# Altium PCB BMS-P00-V01.PcbDoc (part 1 of 2) (continued)
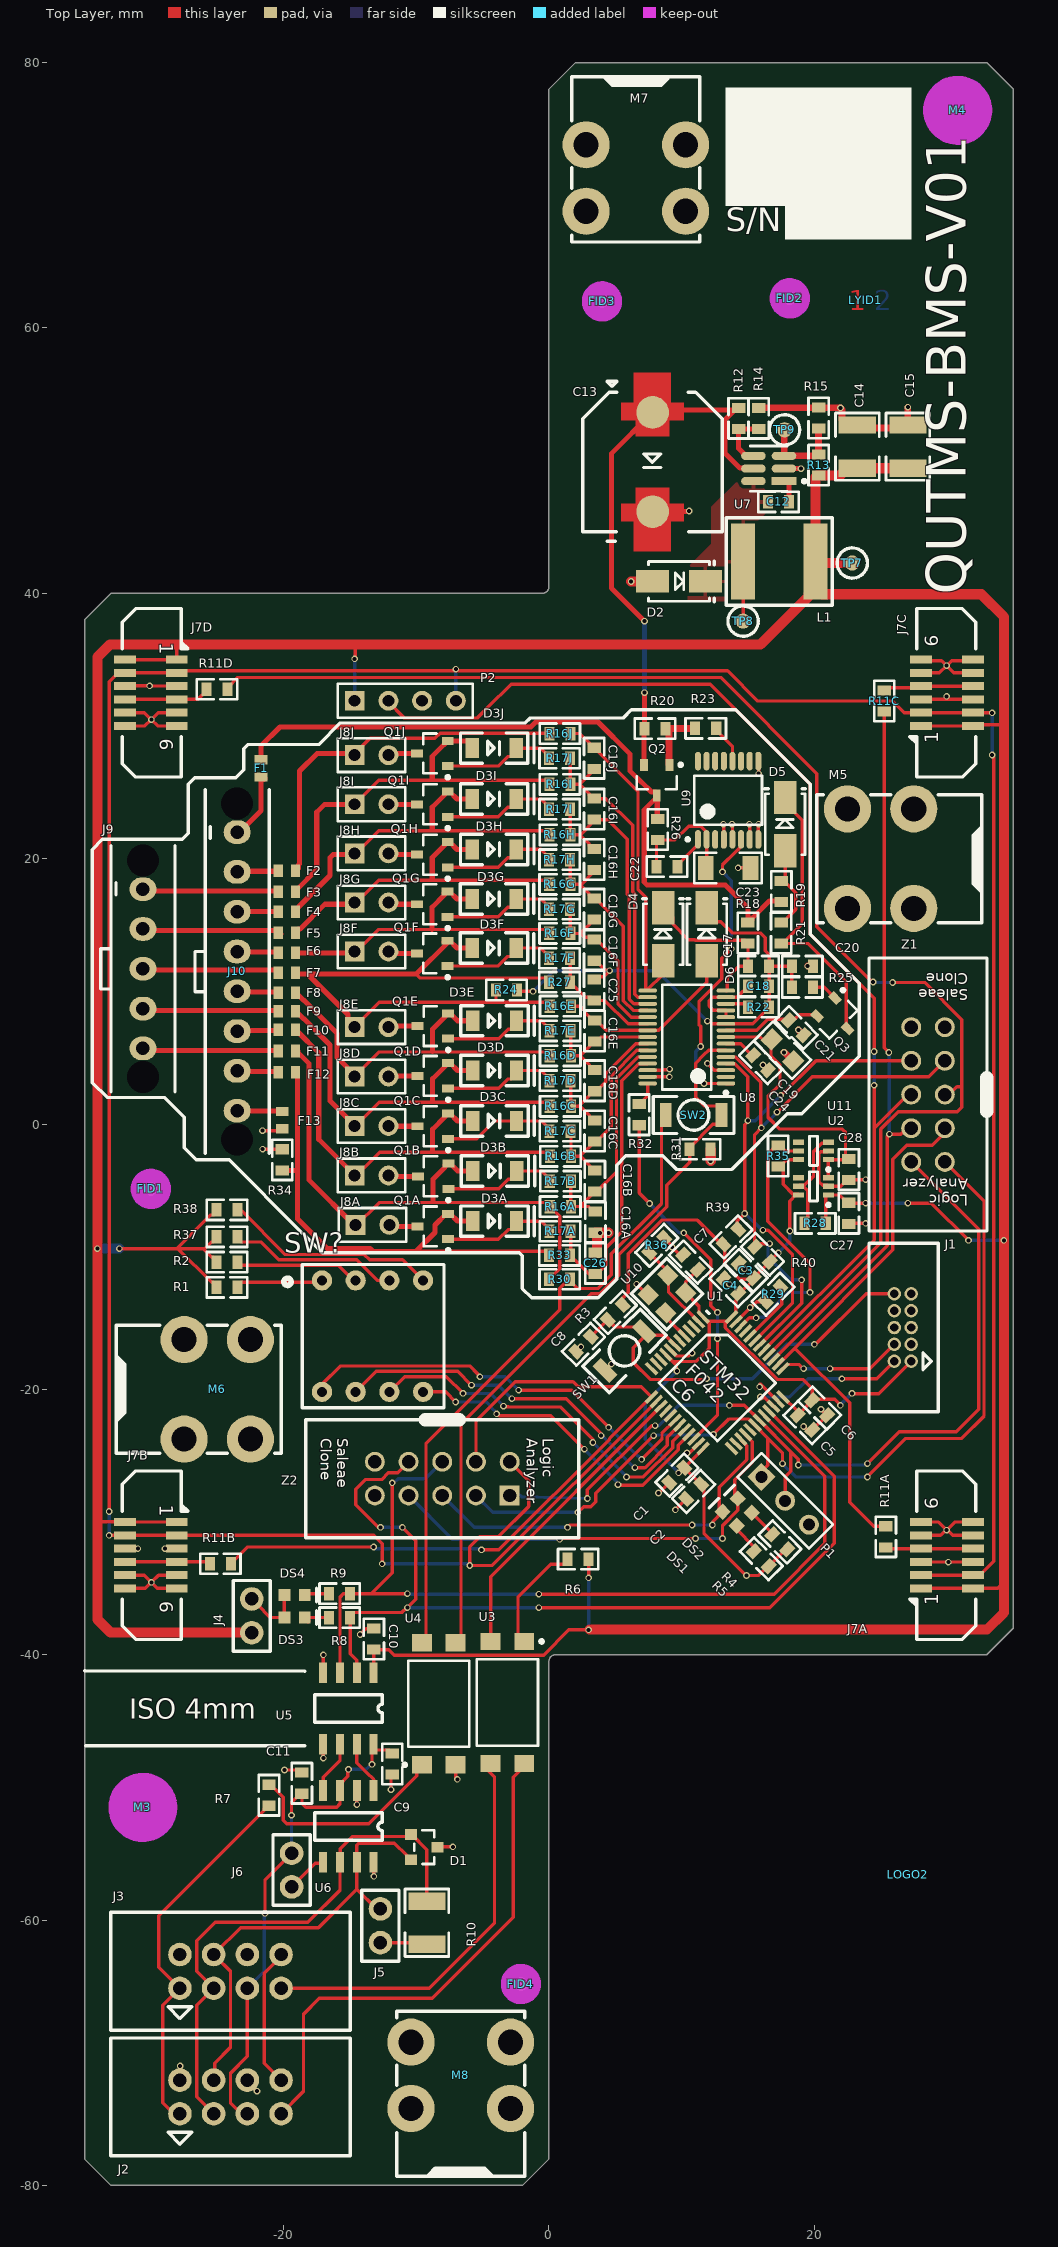
[diagram p0: Top Layer view]
## Components (designator, comment, footprint, x,y, rotation, side; value= is the part's Value field where it differs from the comment) (continued)
R17D "1k" Res_ThinFilm_0603 0.838,3.265 r0 top (schematic designator R17)
R17E "1k" Res_ThinFilm_0603 0.838,7.015 r0 top (schematic designator R17)
R17F "1k" Res_ThinFilm_0603 0.802,12.495 r0 top (schematic designator R17)
R17G "1k" Res_ThinFilm_0603 0.802,16.195 r0 top (schematic designator R17)
R17H "1k" Res_ThinFilm_0603 0.804,19.931 r0 top (schematic designator R17)
R17I "1k" Res_ThinFilm_0603 0.804,23.731 r0 top (schematic designator R17)
R17J "1k" Res_ThinFilm_0603 0.804,27.565 r0 top (schematic designator R17)
R18 "10k" Res_ThinFilm_0603 15,14.4 r90 top
R19 "10k" Res_ThinFilm_0603 17.526,17.526 r270 top
R20 "10M" Res_ThinFilm_0603 8,29.8 r180 top
R21 "10k" Res_ThinFilm_0603 17.5,14.4 r90 top
R22 "10k" Res_ThinFilm_0603 15.8,8.8 r180 top
R23 "0R" Res_ThinFilm_0603 11.814,29.812 r180 top
R24 "10k" Res_ThinFilm_0603 -3.2,10.1 r180 top
R25 "100R" Res_ThinFilm_0603 19.1,10.3 r180 top
R26 "100R" Res_ThinFilm_0603 8.2,22.2 r90 top
R27 "10k" Res_ThinFilm_0603 0.8,10.7 r0 top
R28 "10k" Res_ThinFilm_0603 20.066,-7.493 r0 top
R29 "10k 5% 0603" Res_ThinFilm_0603 16.891,-12.827 r45 top
R30 "10k" Res_ThinFilm_0603 0.807,-11.7 r180 top
R31 "10k" Res_ThinFilm_0603 11.393,-1.9 r180 top
R32 "1k" Res_ThinFilm_0603 6.8,0.7 r270 top
R33 "10k" Res_ThinFilm_0603 0.8,-9.9 r0 top
R34 "DNF 0603" Res_ThinFilm_0603 -20.1,-2.7 r270 top
R35 "10k" Res_ThinFilm_0603 17.272,-2.413 r270 top
R36 "10k" Res_ThinFilm_0603 8.128,-9.144 r225 top
R37 "10k" Res_ThinFilm_0603 -24.257,-8.512 r180 top
R38 "10k" Res_ThinFilm_0603 -24.257,-6.48 r180 top
R39 "2k2" Res_ThinFilm_0603 13.716,-8.509 r225 top
R40 "2k2" Res_ThinFilm_0603 16.092,-9.816 r315 top
SW1 "B3U-1000P" "BTN B3U-1000P" 5.7,-17.1 r45 top
SW2 "B3U-1000P" "BTN B3U-1000P" 10.9,0.678 r180 top
SW? "SM1020" SM1020 -17.107,-20.193 r0 top
TP7 "TestPoint_SMD" TestPointSMD 22.862,42.283 r0 top
TP8 "TestPoint_SMD" TestPointSMD 14.633,37.9 r0 top
TP9 "TestPoint_SMD" TestPointSMD 17.76,52.323 r0 top
U1 "STM32F042C6" STM32F042C6 11.627,-14.555 r315 top
U2 "LM66100" LM66100 19.939,-4.699 r180 top
U3 "FOD817ASD" FOD817ASD -3.13,-43.6 r270 top
U4 "FOD817ASD" FOD817ASD -8.3,-43.7 r90 top
U5 "Si8621BC-B-IS" Si8621BC-B-IS -15.112,-44.054 r270 top
U6 "SN65HVD233" SN65HVD233DR -15.112,-52.936 r270 top
U7 "LMR14010" LMR14010 16.577,49.385 r180 top
U8 "BQ76930" BQ76930 10.39,6.556 r180 top
U9 "BQ76200" BQ76200 13.505,24.399 r90 top
U10 "DSC1001DI1-008.0000T" DSC1001DI1-008.0000TCT-ND 8.89,-12.8 r315 top
U11 "LM66100" LM66100 19.939,-2.032 r180 top
Z1 "LogicAnalyzerBreakOut" LogicAnalyzer#1 28.57,2.22 r180 top
Z2 "LogicAnalyzerBreakOut" LogicAnalyzer#2 -8.04,-26.73 r270 top

## Footprints (in the part's own frame and the unit in brackets; to place one, negate y for a bottom-side part, rotate by r counter-clockwise, add the part's x,y. Pads: shape width x height; smd on the part's side, far side on the other; paste and mask are expansions set on the pad)
3412.0124.22 [mm] "5A Fuse"
  rect 0.7x0.95 smd: 1(-0.65,0) 2(0.65,0)
  body extent -0.8,-0.48 0.8,0.48, height 0.55
526100672 [mm] "Easy-On FFC/FPC Connector, 1.00mm Pitch, Slider Series, Vertical, 5.75mm Height, 6 Circuits, Gold Plating"
  rect 0.61x1.651 smd: 1(-2.5,-1.95) 1(-2.5,1.95) 2(-1.5,1.95) 2(-1.5,-1.95) 3(-0.5,1.95) 3(-0.5,-1.95) 4(0.5,1.95) 4(0.5,-1.95) 5(1.5,1.95) 5(1.5,-1.95) 6(2.5,-1.95) 6(2.5,1.95)
  silkscreen extent -6.35,-2.16 6.35,2.79, body extent -6.3,-2.25 6.3,2.25, height 5.7
BQ76200 [mm] "TSOP, 16-Leads, Body 5.00x4.40mm, Pitch 0.65mm, IPC Medium Density"
  oval 1.4x0.45 smd: 1(-2.95,2.275) 2(-2.95,1.625) 3(-2.95,0.975) 4(-2.95,0.325) 5(-2.95,-0.325) 6(-2.95,-0.975) 7(-2.95,-1.625) 8(-2.95,-2.275) 9(2.95,-2.275) 10(2.95,-1.625) 11(2.95,-0.975) 12(2.95,-0.325) 13(2.95,0.325) 14(2.95,0.975) 15(2.95,1.625) 16(2.95,2.275)
  silkscreen extent -3.07,-2.55 1.85,3.17, body extent -3.21,-2.55 3.22,2.55, height 1.11
BQ76930 [mm] "TSSOP, 30-Leads, Body 7.80x4.40mm, Pitch 0.50mm, IPC Medium Density"
  oval 1.4x0.3 smd: 1(-2.95,3.5) 2(-2.95,3) 3(-2.95,2.5) 4(-2.95,2) 5(-2.95,1.5) 6(-2.95,1) 7(-2.95,0.5) 8(-2.95,0) 9(-2.95,-0.5) 10(-2.95,-1) 11(-2.95,-1.5) 12(-2.95,-2) 13(-2.95,-2.5) 14(-2.95,-3) 15(-2.95,-3.5) 16(2.95,-3.5) 17(2.95,-3) 18(2.95,-2.5) 19(2.95,-2) 20(2.95,-1.5) 21(2.95,-1) 22(2.95,-0.5) 23(2.95,0) 24(2.95,0.5) 25(2.95,1) 26(2.95,1.5) 27(2.95,2) 28(2.95,2.5) 29(2.95,3) 30(2.95,3.5)
  silkscreen extent -3.08,-3.95 1.85,4.32, body extent -2.25,-3.95 2.25,3.95, height 1.2
BST82,215 [mm] "SOT23, 3-Leads, Body 2.90x2.30mm, Pitch 0.95mm, IPC Medium Density"
  rect 0.9x0.6 smd: D(1.15,0) G(-1.15,0.95) S(-1.15,-0.95)
  silkscreen extent -1.27,-1.5 0.7,1.93, body extent -0.7,-1.5 0.7,1.5, height 1.1
"BTN B3U-1000P" [mil] "OMRON B3U-1000P"
  rect 35x70 smd: 1(-82.68,0) 2(82.68,0)
  silkscreen extent -120,-55 120,55, body extent -79,-49 79,49, height 63
CAP_ALU_10X10MM [mm]
  round 2.466 smd paste+0 mask+0: A(3.738,-0.013) K(-3.737,-0.013)
  Top Layer region: 1.951,-1.25 1.951,1.25 3.151,1.25 3.151,2.35 4.451,2.35 4.451,1.397 6.731,1.397 6.731,-1.397 4.451,-1.397 4.451,-2.35 3.151,-2.35 3.151,-1.25
  Top Layer region: -1.949,-1.25 -1.949,1.25 -3.149,1.25 -3.149,2.35 -4.449,2.35 -4.449,1.397 -6.731,1.397 -6.731,-1.397 -4.449,-1.397 -4.449,-2.35 -3.149,-2.35 -3.149,-1.25
  silkscreen extent -5.97,-5.25 6.1,5.25, body extent -6,-5.15 6,5.15, height 10.81
CAP_CERAMIC_0603 [mil]
  rect 30x40 smd: 1(-31.24,0) 2(31.24,0)
  silkscreen extent -60,-30 60,30, body extent -31,-16 32,16, height 33
Cap_Ceramic_0603 [mil]
  rect 30x40 smd: 1(-31.24,0) 2(31.24,0)
  silkscreen extent -60,-30 60,30, body extent -31,-16 32,16, height 33
CAP_CERAMIC_0805 [mil]
  rect 45x50 smd: 1(-45.43,0) 2(45.43,0)
  silkscreen extent -80,-40 80,40, body extent -39,-26 39,26, height 43
CAP_CERAMIC_1206 [mil]
  rect 47x71 smd: 1(-66.08,0) 2(66.08,0)
  silkscreen extent -100,-45 100,45, body extent -63,-31 63,32, height 53
Cap_Ceramic_1210 [mm]
  rect 1.3x2.8 smd: 1(-1.625,0) 2(1.625,0)
  silkscreen extent -2.54,-1.65 2.54,1.65, body extent -1.6,-1.25 1.6,1.25, height 1.35
DSC1001DI1-008.0000TCT-ND [mm]
  rect 1.219x1.092 smd: 1(-0.95,1.05) 2(-0.95,-1.05) 3(0.95,-1.05) 4(0.95,1.05)
  silkscreen extent -1.9,-1.9 1.9,1.9, body extent -1.25,-1.6 1.25,1.6, height 0.85
"FIDUCIAL 1MM" [mm]
  round 1 smd mask+1: 1(0,0)
  round 1 smd far side mask+1: 1(0,0)
  Keep-Out Layer circle w1.524: c0,0 r0.762
FOD817ASD [mm]
  rect 1.3x1.5 smd: 1(-4.6,1.27) 2(-4.6,-1.27) 3(4.6,-1.27) 4(4.6,1.27)
  silkscreen extent -4.72,-2.3 3.25,2.7, body extent -5.08,-2.3 5.08,2.3, height 3.85
HDR1X2 [mm] "Connector; Header; 2 Position"
  rect 1.5x1.5 hole 0.9: 1(0,0)
  round 1.5 hole 0.9: 2(2.54,0)
  silkscreen extent -1.27,-1.27 3.81,1.27
HDR1X3 [mm] "Connector; Header; 3 Position"
  rect 1.5x1.5 hole 0.9: 1(0,0)
  round 1.5 hole 0.9: 2(2.54,0) 3(5.08,0)
  silkscreen extent -1.27,-1.27 6.35,1.27
HDR1X4 [mm] "Connector; Header; 4 Position"
  rect 1.5x1.5 hole 0.9: 1(0,0)
  round 1.5 hole 0.9: 2(2.54,0) 3(5.08,0) 4(7.62,0)
  silkscreen extent -1.27,-1.27 8.89,1.27
"IDC 1.27MM 10P" [mil]
  round 40 hole 25: 1(-100,-25) 2(-100,25) 3(-50,-25) 4(-50,25) 5(0,-25) 6(0,25) 7(50,-25) 8(50,25) 9(100,-25) 10(100,25)
  silkscreen extent -250,-105 250,100, body extent -249,-104 249,100, height 214
"IDC 2.54MM 8P" [mil]
  round 70 hole 40: 1(-150,-50) 2(-150,50) 3(-50,-50) 4(-50,50) 5(50,-50) 6(50,50) 7(150,-50) 8(150,50)
  silkscreen extent -355,-175 355,175, body extent -354,-177 354,173, height 355
Inductor_6x6mm [mm]
  rect 1.8x5.7 smd: 1(-2.667,0) 2(2.794,0)
  silkscreen extent -3.94,-3.3 4.06,3.3, body extent -3,-3 3,3, height 4.56
Jumper_2Way_Pin [mil]
  round 70 hole 40: 1(-100,0) 2(0,0)
  silkscreen extent -155,-55 55,55, body extent -142,-48 42,47, height 332
"Keystone 7790" [mm] "4 Pin Screw Terminal, Power Tap M3 Through Hole, Right Angle"
  round 3.556 hole 1.905: 0(-3.75,-2.5) 0(-3.75,2.5) 0(3.75,-2.5) 0(3.75,2.5)
  silkscreen extent -4.83,-7.62 4.83,4.83, body extent -4.94,-7.62 4.69,3.89, height 8.18
"LAYER IDENT 2" [mm]
  Top Layer pour cut-out: 4.826,3.81
  Top Layer pour cut-out: -2.286,1.27 -2.286,-1.27 2.286,-1.27 2.286,1.27
  Top Layer pour cut-out: -0.254,0.762
  Top Layer pour cut-out: -0.508,-0.127
  Bottom Layer pour cut-out: -2.286,1.27 -2.286,-1.27 2.286,-1.27 2.286,1.27
"LBL HV MEDIUM" [mm]
"LED BLUE 0603" [mil]
  rect 35x35 smd: 1(-30,0) 2(30,0)
  silkscreen extent 65,-20 65,20, body extent -40,-20 40,20, height 30
"LED ORANGE 0603" [mil]
  rect 35x35 smd: 1(-30,0) 2(30,0)
  silkscreen extent 65,-20 65,20, body extent -40,-20 40,20, height 30
LM66100 [mm] "Diode, 5.5V"
  rect 0.85x0.4 smd: 1(-1.125,0.65) 2(-1.125,0) 3(-1.125,-0.65) 4(1.125,-0.65) 5(1.125,0) 6(1.125,0.65)
  silkscreen extent -1.25,-1.1 0.3,1.52, body extent -0.7,-1.07 0.7,1.08, height 1.1
LMR14010 [mm]
  rect 1.854x0.612 smd paste+0 mask+0: 1(-1.136,0.933)
  rrect100% 1.854x0.612 smd paste+0 mask+0: 2(-1.136,-0.017) 3(-1.136,-0.967) 4(1.164,-0.967) 5(1.164,-0.017) 6(1.164,0.933)
  silkscreen extent -2.79,-1.72 1.41,1.68, body extent -1.39,-1.47 1.41,1.43, height 1.1
LogicAnalyzer#1 [mm]
  round 1.5 / inner round 1.778 / far side round 1.778 hole 1.016: 1(-1.27,5.08) 2(1.27,5.08) 3(-1.27,2.54) 4(1.27,2.54) 5(-1.27,0) 6(1.27,0) 7(-1.27,-2.54) 8(1.27,-2.54) 9(-1.27,-5.08) 10(1.27,-5.08)
  silkscreen extent -4.45,-10.29 4.45,10.29, body extent -4.45,-10.25 4.45,10.25, height 9.13
LogicAnalyzer#2 [mm]
  round 1.5 / inner round 1.778 / far side round 1.778 hole 1.016: 1(-1.27,5.08) 3(-1.27,2.54) 4(1.27,2.54) 5(-1.27,0) 6(1.27,0) 7(-1.27,-2.54) 8(1.27,-2.54) 9(-1.27,-5.08) 10(1.27,-5.08)
  rect 1.5x1.5 / inner round 1.5 / far side round 1.5 hole 1.016: 2(1.27,5.08)
  silkscreen extent -4.44,-10.29 4.45,10.29, body extent -4.45,-10.25 4.45,10.25, height 9.13
"M3.2 UNPLATED" [mm]
  round 0 hole 3.2 unplated mask+2.6: 1(0,0)
  Keep-Out Layer circle w2.667: c0,0 r1.27
Microfit_1X5_V_TH [mil]
  oval 70x80 hole 40: 1(236.22,0) 2(118.11,0) 3(0,0) 4(-118.11,0) 5(-236.22,0)
  round 0 hole 95 unplated: NC(-320.87,0) NC(320.87,0)
  silkscreen extent -365,-95 365,125, body extent -367,-97 367,123, height 395
Microfit_1X8_V_TH [mil]
  oval 70x80 hole 40: 1(413.39,0) 2(295.28,0) 3(177.16,0) 4(59.05,0) 5(-59.06,0) 6(-177.17,0) 7(-295.28,0) 8(-413.39,0)
  round 0 hole 95 unplated: NC(-498.03,0) NC(498.03,0)
  silkscreen extent -540,-95 540,125, body extent -544,-97 544,123, height 395
NUP2105L [mm]
  rect 0.8x0.9 smd: 1(-0.95,-1) 2(0.95,-1) 3(0,1)
  silkscreen extent -1.27,-0.76 1.27,0.76, body extent -1.45,-1.22 1.45,1.18, height 1
PMV15UNEAR [mm] "SOT23, 3-Leads, Body 2.90x2.30mm, Pitch 0.95mm, IPC Medium Density"
  rect 0.9x0.6 smd: D(1.15,0) G(-1.15,0.95) S(-1.15,-0.95)
  silkscreen extent -1.28,-1.5 0.7,1.92, body extent -0.7,-1.5 0.7,1.5, height 1.1
"QUTMS LOGO 30MM" [mm]
  silkscreen extent -0.03,0.03 30.02,10.1
Res_ThinFilm_0603 [mil]
  rect 30x40 smd: 1(-31.24,0) 2(31.24,0)
  silkscreen extent -60,-30 60,30, body extent -31,-16 31,16, height 18
Res_ThinFilm_1210 [mm]
  rect 1.3x2.8 smd: 1(-1.625,0) 2(1.625,0)
  silkscreen extent -2.54,-1.65 2.54,1.65, body extent -1.6,-1.25 1.6,1.25, height 0.6
Si8621BC-B-IS [mm]
  rect 1.55x0.6 smd: 1(-2.7,1.905) 2(-2.7,0.635) 3(-2.7,-0.635) 4(-2.7,-1.905) 5(2.7,-1.905) 6(2.7,-0.635) 7(2.7,0.635) 8(2.7,1.905)
  silkscreen extent -1.04,-2.54 1.04,2.54, body extent -3.01,-2.45 3.01,2.45, height 1.63
SM1020 [mil]
  round 60 hole 30: 1(0,330.71) 2(100,330.71) 3(200,330.71) 4(300,330.71) 5(0,0) 6(100,0) 7(200,0) 8(300,0)
  silkscreen extent -117,-47 362,378, body extent -30,-20 331,331, height 118
SMA [mm]
  rect 2.5x1.7 smd: A(-2,0) K(2,0)
  silkscreen extent -2.3,-1.52 2.67,1.52, body extent -2.52,-1.46 2.52,1.46, height 2.4
SN65HVD233DR [mm]
  rect 1.55x0.6 smd: 1(-2.7,1.903) 2(-2.7,0.633) 3(-2.7,-0.637) 4(-2.7,-1.907) 5(2.7,-1.907) 6(2.7,-0.637) 7(2.7,0.633) 8(2.7,1.903)
  silkscreen extent -1.04,-2.54 1.04,2.54, body extent -3.01,-2.45 3.01,2.45, height 1.63
SOD123 [mil]
  rect 40x60 smd: A(-65,0) K(65,0)
  silkscreen extent -100,-45 118,45, body extent -74,-33 74,33, height 47
STM32F042C6 [mm]
  rect 1.2x0.3 smd: 1(0,0) 2(0,-0.5) 3(0,-1) 4(0,-1.5) 5(0,-2) 6(0,-2.5) 7(0,-3) 8(0,-3.5) 9(0,-4) 10(0,-4.5) 11(0,-5) 12(0,-5.5) 25(8.5,-5.5) 26(8.5,-5) 27(8.5,-4.5) 28(8.5,-4) 29(8.5,-3.5) 30(8.5,-3) 31(8.5,-2.5) 32(8.5,-2) 33(8.5,-1.5) 34(8.5,-1) 35(8.5,-0.5) 36(8.5,0)
  rect 0.3x1.2 smd: 13(1.5,-7) 14(2,-7) 15(2.5,-7) 16(3,-7) 17(3.5,-7) 18(4,-7) 19(4.5,-7) 20(5,-7) 21(5.5,-7) 22(6,-7) 23(6.5,-7) 24(7,-7) 37(7,1.5) 38(6.5,1.5) 39(6,1.5) 40(5.5,1.5) 41(5,1.5) 42(4.5,1.5) 43(4,1.5) 44(3.5,1.5) 45(3,1.5) 46(2.5,1.5) 47(2,1.5) 48(1.5,1.5)
  silkscreen extent -0.13,-5.86 7.36,0.51, body extent -0.27,-7.26 8.76,1.77, height 1.5
TestPointSMD [mil]
  round 45 smd: 1(0,0)
  silkscreen extent -45,-45 45,45

## Part data
C1 C3 C5 C7 C8 C9 C10 C11 C27 C28: library part "100nF 50V 5% X7R 0603", "Capacitor, Ceramic, SMD, 100nF, 50V, 5%, X7R, 0603"
C2 C4 C6: library part "4u7 50V 5% X7R 0603", "Capacitor, Ceramic, SMD, 4u7, 50V, 5%, X7R, 0603"
C12: library part "100nF 100V 5% X7R 0603", "Capacitor, Ceramic, SMD, 100nF, 100V, 5%, X7R, 0603"
C13: "Capacitor, AluPoly, SMD, 47uF, 80V, 10%, AluPoly, 10x10mm"
C14 C15: library part "47uF 16V 10% X7R 1210", "Capacitor, Ceramic, SMD, 47uF, 16V, 5%, X7R, 1210"
C16A C16B C16C C16D C16E C16F C16G C16H C16I C16J C17 C20 C25 C26: library part "220nF 50V 5% X7R 0603", "Capacitor, Ceramic, SMD, 220nF, 50V, 5%, X7R, 0603"
C18 C21 C24: library part "1uF 25V 5% X7R 0603", "Capacitor, Ceramic, SMD, 1uF, 25V, 5%, X7R, 0603"
C19: library part "10uF 25V 5% X7R 0805_1", "Capacitor, Ceramic, SMD, 10uF, 25V, 5%, X7R, 0805"
C22: library part "470nF 50V 5% X7R 0603", "Capacitor, Ceramic, SMD, 470nF, 50V, 5%, X7R, 0603"
C23: library part "10uF 25V 10% X7R 1206", "Capacitor, Ceramic, SMD, 10uF, 25V, 10%, X7R, 1206"
D2: "Diode, Schottky Barrier Rectifier, 60 V, 2 A, B260A-13-F"
D3A D3B D3C D3D D3E D3F D3G D3H D3I D3J: "Diode, SMD, Zender, 5.6V, 7%, 500mW, SOD-123", Manufacturer=Generic, MPN="1.8V 500mW"
D4 D5 D6: "Diode, SMD, 75V, 5%, 250mA, SOD123", Average Rectified Current=150mA, Forward Voltage=1V, Manufacturer="ON Semiconductor / Fairchild", Manufacturer Part Number=1N914BWS, Max Forward Surge Current (Ifsm)=4A, Max Operating Temperature=150°C, Max Repetitive Reverse Voltage (Vrrm)=75V, Max Reverse Leakage Current=5uA, Min Operating Temperature=-55°C, Package Quantity=1, Power Dissipation=200mW, Category="Rectifier Diodes", Contact Plating=Tin,Matte, Element Configuration=Single, Forward Current=150mA, Height=1mm, Lead Free="Lead Free", Length=1.8mm, Max Reverse Voltage (DC)=75V, Mount="Surface Mount", Number of Pins=2, Packaging="Tape and Reel", Peak Reverse Current=5uA, Radiation Hardening=No, REACH SVHC="No SVHC", Recovery Time=4ns, Reverse Recovery Time=4ns, Reverse Voltage=75V, Weight=0.0276g, Width=1.35mm
DS1 DS2: library part "LED ORANGE 0603"
DS3 DS4: library part "LED BLUE 0603"
F1 F2 F3 F4 F5 F6 F7 F8 F9 F10 F11 F12 F13: "FUSE BOARD MOUNT 5A 63VDC 0603"
J2 J3: "IDC 8P 2x5"
J4 J5 J6: library part "Jumper 2Way Side Pins", "Jumper 2Way Side Pins"
J7A J7B J7C J7D: library part 6PinMOLEX
J8A J8B J8C J8D J8E J8F J8G J8H J8I J8J: library part "Header 2", "Header, 2-Pin", LatestRevisionDate=17-Jul-2002, LatestRevisionNote="Re-released for DXP Platform.", Publisher="Altium Limited"
J9: library part Microfit_1x5
J10: library part Microfit_1x8
L1: "FIXED IND 220UH 660MA 850 MOHM", ComponentLink1Description=Digikey, ComponentLink1URL=https://www.digikey.com.au/product-detail/en/w%C3%BCrth-elektronik/74404064221/732-7261-1-ND/5353241, ComponentLink2Description="LCSC A", ComponentLink2URL=https://lcsc.com/product-detail/Power-Inductors_Sunlord-SWPA6045S221MT_C91047.html, ComponentLink3Description="LCSC B", ComponentLink3URL=https://lcsc.com/product-detail/Power-Inductors_SXN-Shun-Xiang-Nuo-Elec-SMNR6045-221MT_C467145.html
LOGO3: library part "QUTMS Logo 30mm"
LYID1: library part "Layer Identification 2"
M3 M4: "M3.2 Hole, No Plating"
M5 M6 M7 M8: "SNAP-INPC MOUNT"
P1: library part "Header 3", "Header, 3-Pin", LatestRevisionDate=17-Jul-2002, LatestRevisionNote="Re-released for DXP Platform.", Publisher="Altium Limited"
P2: "Header, 4-Pin", LatestRevisionDate=17-Jul-2002, LatestRevisionNote="Re-released for DXP Platform.", Publisher="Altium Limited"
Q1A Q1B Q1C Q1D Q1E Q1F Q1G Q1H Q1I Q1J: library part PMV15UNEAR, "MOSFET N-CH, 20V, SOT23", Manufacturer=Nexperia, Manufacturer Part Number=PMV15UNEAR
Q2 Q3: "MOSFET N-CH, 20V, SOT23"
R1 R2 R18 R19 R21 R22 R24 R27 R30 R31 R33 R36 R37 R38: library part "10k 5% 0603", "Resistor, SMD, 10k, 0.1W, 5%, 0603"
R3: library part "4k7 5% 0603", "Resistor, SMD, 4k7, 0.1W, 5%, 0603"
R4 R5 R8 R9: library part "330R 5% 0603", "Resistor, SMD, 330R, 0.1W, 5%, 0603"
R6 R25 R26: library part "100R 5%, 0603", "Resistor, SMD, 100R, 0.1W, 5%, 0603"
R7: library part "150R 5% 0603", "Resistor, SMD, 150R, 0.1W, 5%, 0603"
R10: "Resistor, SMD, 120R, 0.25W, 1%, 1210"
R11A R11B R11C R11D R23: library part "0R 5% 0603", "Resistor, SMD, 0R, 0.1W, 5%, 0603"
R12 R28 R35: library part "10k 1% 0603", "Resistor, SMD, 10k, 0.1W, 1%, 0603"
R13: "Resistor, SMD, 68k, 0.1W, 5%, 0603"
R14: library part "620R 1% 0603", "Resistor, SMD, 680R, 0.1W, 5%, 0603"
R15: "Resistor, SMD, 20k, 0.1W, 5%, 0603"
R16A R16B R16C R16D R16E R16F R16G R16H R16I R16J R17A R17B R17C R17D R17E R17F R17G R17H R17I R17J R32: library part "1k 5% 0603", "Resistor, SMD, 1k, 0.1W, 5%, 0603"
R20: library part "10M 5% 0603", "Resistor, SMD, 10M, 0.1W, 5%, 0603"
R29: "Resistor, SMD, 10k, 0.1W, 5%, 0603"
R34: "Resistor, SMD, DNF, 0.1W, 0603"
R39 R40: library part "2k2 5% 0603", "Resistor, SMD, 2k2, 0.1W, 5%, 0603"
SW1 SW2: library part "BTN B3U-1000P", "Omron B3U-1000P Ultra Miniture Switch", ComponentLink1Description=LCSC, ComponentLink1URL=https://lcsc.com/product-detail/Tactile-Switches_BRIGHT-TSA063G50-250_C294565.html
SW?: "4 Pin DIL Switch"
U1: "ARM® Cortex®-M0 STM32F0 Microcontroller IC 32-Bit 48MHz 32KB (32K x 8) FLASH 48-LQFP (7x7)", ComponentLink1Description=Digikey, ComponentLink1URL=https://www.digikey.com.au/product-detail/en/stmicroelectronics/STM32F042C6T6TR/497-19319-1-ND/10063344, ComponentLink2Description=Datasheet, ComponentLink2URL=https://www.st.com/resource/en/datasheet/stm32f042k6.pdf
U2 U11: "Diode, SMD, 5.5V, 1.5A, SC-70", Average Rectified Current=150mA, Forward Voltage=1V, Manufacturer="ON Semiconductor / Fairchild", Manufacturer Part Number=1N914BWS, Max Forward Surge Current (Ifsm)=4A, Max Operating Temperature=150°C, Max Repetitive Reverse Voltage (Vrrm)=75V, Max Reverse Leakage Current=5uA, Min Operating Temperature=-55°C, Package Quantity=1, Power Dissipation=200mW, Category="Rectifier Diodes", Contact Plating=Tin,Matte, Element Configuration=Single, Forward Current=150mA, Height=1mm, Lead Free="Lead Free", Length=1.8mm, Max Reverse Voltage (DC)=75V, Mount="Surface Mount", Number of Pins=2, Packaging="Tape and Reel", Peak Reverse Current=5uA, Radiation Hardening=No, REACH SVHC="No SVHC", Recovery Time=4ns, Reverse Recovery Time=4ns, Reverse Voltage=75V, Weight=0.0276g, Width=1.35mm
U3 U4: "Optoisolator 5kV Transistor 4SMD"
U8: "Battery Monitoring/Fuel Gauge Li-Ion/Li-Polymer/LiFePO4 0V to 16V 30-Pin TSSOP T/R", Case/Package=TFSOP, Manufacturer="Texas Instruments", Manufacturer Part Number=BQ7693003DBTR, Max Operating Temperature=85°C, Min Operating Temperature=-40°C, Operating Supply Voltage=25V, Output Voltage=16V, Package Quantity=2000, Supplier Part Number 1=296-39961-1-ND, Category="Battery Management", ComponentLink1Description=http://www.ti.com/lit/gpn/bq76930?src-supplier=Mouser, ComponentLink1URL=http://www.ti.com/lit/gpn/bq76930?src-supplier=Mouser, ComponentLink2Description=http://www.ti.com/lit/ds/symlink/bq76930.pdf?src-supplier=Digi-Key, ComponentLink2URL=http://www.ti.com/lit/ds/symlink/bq76930.pdf?src-supplier=Digi-Key, ComponentLink3Description=http://www.ti.com/lit/pdf/slpt038?src-supplier=Digi-Key, ComponentLink3URL=http://www.ti.com/lit/pdf/slpt038?src-supplier=Digi-Key, ComponentLink4Description=http://www.ti.com/general/docs/lit/getliterature.tsp?genericPartNumber=BQ76920&amp;&amp;fileType=pdf&src-supplier=Avnet+Asia, ComponentLink4URL=http://www.ti.com/general/docs/lit/getliterature.tsp?genericPartNumber=BQ76920&amp;&amp;fileType=pdf&src-supplier=Avnet+Asia, ComponentLink5Description=http://www.ti.com/general/docs/lit/getliterature.tsp?genericPartNumber=BQ76920&&fileType=pdf&src-supplier=Avnet, ComponentLink5URL=http://www.ti.com/general/docs/lit/getliterature.tsp?genericPartNumber=BQ76920&&fileType=pdf&src-supplier=Avnet, Contact Plating=Gold, Fault Protection="Over Current,Short Circuit,Over/Under Voltage", Interface=I2C, InternalPart=Test1234, Lead Free="Lead Free", Mount="Surface Mount", Number of Pins=30, Packaging="Tape and Reel", Pricing 1="1=4.66000, 10=4.18900, 25=3.96000, 100=3.25600, 250=2.92160, 500=2.81600, 1000=2.34080 (USD)", RoHS=Yes, Stock 1=4521, Supplier 1=Digi-Key, Weight=0.003439oz
U9: library part BQ76200PWR, "High-voltage battery pack front-end charge/discharge high-side NFET driver", Manufacturer="Texas Instruments", MPN=BQ76200PWR
U10: "8MHz XO (Standard) CMOS Oscillator 1.8 ~ 3.3V Standby (Power Down) 4-SMD, No Lead"
Z1 Z2: library part LogicAnalyer
D1: ComponentLink1Description=Datasheet, ComponentLink1URL=https://www.onsemi.cn/PowerSolutions/document/NUP2105L-D.PDF, ComponentLink2Description=LCSC, ComponentLink2URL=https://lcsc.com/product-detail/TVS_ON-Semiconductor-NUP2105LT1G_C14486.html, ComponentLink3Description=Digikey, ComponentLink3URL=https://www.digikey.com.au/product-detail/en/on-semiconductor/SZNUP2105LT1G/SZNUP2105LT1GOSCT-ND/3487669
U5: ComponentLink1Description=Digikey, ComponentLink1URL=https://www.digikey.com.au/product-detail/en/silicon-labs/SI8621BC-B-ISR/336-4774-1-ND/8611005, ComponentLink2Description=Datasheet, ComponentLink2URL=https://www.silabs.com/documents/public/data-sheets/si861x-2x-datasheet.pdf
U6: ComponentLink1Description=LCSC, ComponentLink1URL=https://lcsc.com/product-detail/CAN-ICs_Texas-Instruments_SN65HVD233DRG4_Texas-Instruments-Texas-Instruments-SN65HVD233DRG4_C61643.html, ComponentLink2Description=Digikey, ComponentLink2URL=https://www.digikey.com.au/product-detail/en/texas-instruments/SN65HVD233DR/296-35967-1-ND/4134960, ComponentLink3Description=Datasheet, ComponentLink3URL=https://www.ti.com/lit/ds/symlink/sn65hvd233.pdf?ts=1588560888178, ComponentLink4Description="Ti Product Page", ComponentLink4URL=https://www.ti.com/product/SN65HVD233

## Via types
v1: diameter 0.5, hole 0.3, Top Layer to Bottom Layer, 103 vias
v2: diameter 0.5, hole 0.3, Top Layer to Bottom Layer, tented both sides, 59 vias

## Nets (pads, with @x,y where several pads share a name; then routed paths per layer and width w, separated by ;. In a path a pad name is that pad's centre, name@x,y a point inside that pad or via, vN(x,y) a via of type N, cw(c..) or ccw(c..) an arc to the next point about the centre after c; other vN are vias at no path point)
3V3: C10.2 C14.2 C15.2 C27.2 J4.1 J7A.1 J7B.1 J7C.1 J7D.1 L1.2 P2.1 R1.2 R2.2 R6.2 R13.2 R28.2 R37.2 R38.2 TP7.1 U2.1 U5.1 | length 370
  Top Layer w0.254: -34.036,-29.972 -31.978,-29.972 J7B.1@-31.95,-30 J7B.1@-28.05,-30 ; v1(-32.385,-9.398) -28.067,-9.398 ; J7D.1@-31.95,35 J7D.1@-28.05,35 -28.05,36.039 -27.94,36.149 ; R1.2@-25.05,-12.322 -25.05,-12.195 -25.304,-11.941 -25.431,-11.941 -27.974,-9.398 ; R2.2@-25.05,-10.417 -25.05,-10.29 -25.304,-10.036 -25.431,-10.036 -26.069,-9.398 ; R37.2@-25.05,-8.512 -25.05,-8.639 -25.304,-8.893 -25.431,-8.893 -25.937,-9.398 -26.069,-9.398 ; R38.2@-25.05,-6.48 -25.05,-6.607 -25.304,-6.861 -25.53,-6.861 -28.067,-9.398 ; v1(-14.64,35.058) -14.605,35.093 -14.605,36.149 ; U5.1@-13.207,-41.354 -13.207,-39.625 C10.2@-13.2,-39.618 -12.071,-39.618 -11.66,-40.029 -0.405,-40.029 1.497,-38.127 v1(2.993,-38.127) ; v1(2.993,-34.202) R6.2@2.993,-32.8 ; R28.2@20.859,-7.493 20.859,-5.422 20.932,-5.349 U2.1@21.064,-5.349 21.89,-5.349 22.479,-5.938 C27.2@22.606,-5.938 22.637,-5.969 v2(23.876,-5.969) ; v1(27.051,-5.969) 28.829,-5.969 v1(31.623,-8.763) ; J7A.1@28.05,-35 J7A.1@31.95,-35 33.834,-35 34.29,-34.544 ; J7C.1@28.05,30 J7C.1@31.95,30 32.049,30.099 34.29,30.099 ; -28.067,-9.398 -27.974,-9.398 ; -27.974,-9.398 -26.069,-9.398
  Top Layer w0.762: J4.1@-22.4,-38.34 -33.034,-38.34 -34.036,-37.338 -34.036,-29.972 v1(-34.036,-9.398) -34.036,35.179 -33.066,36.149 -27.94,36.149 -14.605,36.149 15.956,36.149 19.575,39.768 19.575,39.924 19.938,40.287 20.094,40.287 L1.2@20.094,40.443 ; v1@3.048,-38.1 33.02,-38.1 34.29,-36.83 34.29,-34.544 v1(34.29,-8.763) 34.29,30.099 34.29,38.227 32.593,39.924 20.613,39.924 L1.2@20.094,40.443 ; TP7.1@22.862,42.283 20.204,42.283 L1.2@20.094,42.393 ; C15.2@27.051,49.429 C14.2@23.241,49.429 22.491,49.429 21.926,48.864 R13.2@20.32,48.864 20.193,48.864 20.094,48.765 L1.2@20.094,42.393 ; L1.2@20.094,40.443 L1.2@20.094,42.393
  Bottom Layer w0.254: P2.1@-14.64,31.9 v1(-14.64,35.058) ; v1(2.993,-38.127) v1(2.993,-34.202) ; v2(23.876,-5.969) v1(27.051,-5.969) ; v1(31.623,-8.763) v1(34.29,-8.763)
  Bottom Layer w0.762: v1(-34.036,-9.398) v1(-32.385,-9.398)
"3V3 LDO": C19.2 C28.2 U2.3 U8.8 U11.1 | length 21.3
  Top Layer w0.254: U8.8@13.34,6.556 15.926,6.556 16.111,6.371 16.739,6.371 16.739,5.124 17.418,4.445 17.418,3.007 16.51,2.099 16.51,0.508 17.399,-0.381 22.098,-0.381 22.352,-0.635 22.352,-2.382 C28.2@22.606,-2.636 22.56,-2.682 U11.1@21.064,-2.682 U2.3@21.064,-4.049
"3V3 MCU": C1.2 C2.2 C3.2 C4.2 C5.2 C6.2 C7.2 J1.1 R3.2 R4.2 R5.2 R35.2 R39.2 R40.2 U1.1 U1.9 U1.24 U1.36 U1.48 U2.6 U10.4 U11.6 | length 95.6
  Top Layer w0.254: R3.2@5.471,-13.549 5.471,-13.19 5.969,-12.692 5.969,-9.779 8.509,-7.239 11.197,-7.239 13.155,-9.197 13.245,-9.287 13.245,-10.578 14.367,-11.7 15.33,-11.7 C3.2@15.42,-11.61 15.51,-11.52 15.637,-11.393 R40.2@16.526,-10.504 ; v2(9.634,-18.62) 9.587,-18.573 9.587,-18.171 U1.9@8.799,-17.383 8.831,-17.383 9.351,-17.903 11.056,-17.903 12.069,-16.891 12.069,-15.357 12.083,-15.342 12.083,-15.043 U1.1@11.945,-14.905 ; v2(9.779,-26.289) 9.82,-26.289 10.2,-25.909 C1.2@10.2,-25.9 ; C1.2@10.081,-25.781 C1.2@10.2,-25.9 ; C7.2@11.229,-10.975 10.304,-11.9 10.304,-12.047 10.259,-12.092 10.259,-12.684 U10.4@10.304,-12.729 11.309,-13.734 11.309,-14.236 11.945,-14.873 11.978,-14.873 U1.48@13.43,-14.873 ; U1.24@11.627,-24.454 11.627,-24.465 10.2,-25.892 C1.2@10.2,-25.9 ; v1@14.872,-34.049 11.684,-30.861 11.684,-27.362 C2.2@11.461,-27.139 11.439,-27.139 C1.2@10.2,-25.9 ; v1(14.894,-34.027) 15.801,-34.027 R4.2@16.502,-33.327 ; C3.2@15.422,-11.722 14.283,-12.861 14.261,-12.861 14.261,-13.128 14.067,-13.323 14.067,-14.236 U1.48@13.748,-14.555 13.748,-14.587 13.292,-15.043 13.292,-15.342 17.204,-19.253 19.126,-19.253 19.839,-19.966 C6.2@19.839,-20.839 ; R40.2@16.653,-10.377 16.653,-10.338 v2(17.284,-9.707) ; R4.2@16.911,-33 17.777,-32.134 R5.2@17.777,-31.9 ; R35.2@17.272,-3.206 R35.2@17.399,-3.206 ; U1.36@17.638,-20.565 18.739,-21.666 C5.2@18.739,-21.939 C6.2@19.839,-20.839 ; v2(18.161,-8.061) 18.161,-5.805 U2.6@18.617,-5.349 ; U2.6@18.814,-5.349 18.741,-5.276 18.371,-5.276 17.653,-4.558 17.653,-3.46 R35.2@17.399,-3.206 ; U11.6@18.814,-2.682 17.923,-2.682 R35.2@17.399,-3.206 ; v1(21.961,-21.205) 21.961,-21.161 21.549,-20.749 19.929,-20.749 C6.2@19.839,-20.839 ; v1(22.84,-20.299) 22.819,-20.32 24.86,-20.32 J1.1@27.3,-17.88
  Bottom Layer w0.254: v2(9.634,-18.62) 7.254,-20.999 7.254,-23.764 v2(9.779,-26.289) ; v1@14.877,-34.045 v1(14.894,-34.027) ; v2(17.284,-9.707) 18.161,-8.83 v2(18.161,-8.061) ; v1(21.961,-21.205) 21.998,-21.169 21.998,-21.141 v1(22.84,-20.299)
36V: C13.A Q2.S R12.2 R20.2 U7.5 | length 41.7
  Top Layer w0.381: Q2.S@7.174,27.072 R20.2@7.175,29.768 ; R20.2@7.2,29.834 7.203,29.838 7.203,32.513 v1(7.2,32.516) ; v1(7.2,37.9) 4.7,40.4 4.7,50.518 C13.A@7.813,53.631 7.987,53.805 R12.2@13.999,53.805 ; R12.2@14.3,53.979 14.173,53.979 R12.2@13.999,53.805 ; U7.5@15.413,49.401 15.368,49.445 14.386,49.445 13.25,50.582 13.25,53.056 R12.2@13.999,53.805
  Top Layer w0.508: R20.2@7.175,29.768 R20.2@7.207,29.8 7.186,29.82 R20.2@7.2,29.834
  Bottom Layer w0.381: v1(7.2,32.516) v1(7.2,37.9)
"BMS BOOT": R31.2 SW2.1 U4.3 U8.6 | length 56.2
  Top Layer w0.254: U4.3@-6.8,-38.77 -6.631,-38.601 -6.631,-22.633 3.196,-12.806 3.846,-12.806 5.258,-11.394 5.258,-9.855 8.889,-6.224 8.889,-4.611 10.6,-2.9 R31.2@10.6,-1.9 10.6,-1.773 12.343,-0.03 12.683,-0.03 13,0.288 SW2.1@13,0.678 13,1.037 12.683,1.354 11.727,1.354 11.053,2.028 11.053,4.579 11.677,5.203 11.683,5.203 12.028,5.547 13.332,5.547 U8.6@13.34,5.556
"BMS BOOT ISO": J2.1 J3.1 R7.1 | length 28.9
  Top Layer w0.254: J2.1@-27.84,-75.042 -29.11,-73.772 -29.11,-66.434 J3.1@-27.812,-65.136 -29.4,-63.548 -29.4,-59.687 -21.481,-51.768 -21.481,-51.641 -21.227,-51.387 R7.1@-21.1,-51.387
"BMS BOOT REF": R30.1 SW2.2 U4.4 | length 49.1
  Top Layer w0.254: U4.4@-9.269,-38.799 -9.269,-24.086 0.822,-13.995 0.822,-12.378 1.5,-11.7 R30.1@1.606,-11.7 ; R30.1@1.6,-11.827 2.173,-12.4 3.678,-12.4 4.699,-11.379 4.699,-9.779 8.482,-5.996 8.482,0.226 SW2.2@8.867,0.611
"BMS nALARM IN": J2.7 U3.4 | length 38.4
  Top Layer w0.254: J2.7@-20.192,-74.6 -18.5,-72.908 -18.5,-67.1 -17.3,-65.9 -8.8,-65.9 -2.7,-59.8 -2.7,-49.223 -2.177,-48.7 U3.4@-2.13,-48.7
"BMS nALARM OUT": J3.7 U3.3 | length 29.9
  Top Layer w0.254: J3.7@-20.192,-65.136 -9.036,-65.136 -4.1,-60.2 -4.1,-49.223 -4.623,-48.7 U3.3@-4.67,-48.7
"BMS nALARM RETURN": J2.8 J3.8 | length 10.5
  Top Layer w0.254: J2.8@-20.192,-72.06 -21.463,-70.789 -21.463,-65.786 -21.462,-65.785 -21.462,-64.61 -21.463,-64.609 -21.463,-64.008 -20.192,-62.737 J3.8@-20.192,-62.596
C0: F13.1 J10.8 | length 3.4
  Top Layer w0.381: J10.8@-23.5,1 -23.475,0.975 -20.125,0.975 F13.1@-20.1,0.95
C10: F1.1 J10.1 | length 5.3
  Top Layer w0.381: J10.1@-23.5,22 -23.315,22 -21.7,23.615 F1.1@-21.7,26.15 F1.1@-21.575,26.15
  Top Layer w0.508: F1.1@-21.575,26.15 -21.479,26.054 F1.1@-21.479,26.03
"CAN H": D1.2 J2.4 J3.4 J5.1 U6.7 | length 33.6
  Top Layer w0.254: J2.4@-25.18,-72.06 -25.18,-70.78 -24.002,-69.602 -24.002,-63.866 -25.138,-62.73 -25.138,-62.462 -23.245,-60.569 -17.369,-60.569 -14.479,-57.679 ; U6.7@-14.5,-56.09 U6.7@-14.479,-56.111 ; J5.1@-12.7,-59.16 -12.997,-59.16 -14.479,-57.679 ; D1.2@-10.4,-55.45 -10.45,-55.45 -10.723,-55.177 -10.723,-55.127 -11.65,-54.2 -14.33,-54.2 -14.479,-54.349 U6.7@-14.479,-55.636 U6.7@-14.479,-56.111 ; -14.479,-57.679 U6.7@-14.479,-56.111
"CAN L": D1.1 J2.3 J3.3 R10.1 U6.6 | length 41.9
  Top Layer w0.254: J2.3@-25.3,-75.042 -25.3,-74.572 -26.542,-73.33 -26.542,-66.406 J3.3@-25.272,-65.136 -26.542,-63.866 -26.542,-61.542 -25.163,-60.163 -18.163,-60.163 -15.749,-57.749 U6.6@-15.749,-55.636 -15.729,-55.617 -15.729,-54.629 -14.8,-53.7 -10.55,-53.7 D1.1@-10.4,-53.55 -10.35,-53.55 -9.2,-54.7 R10.1@-9.2,-58.575
"CAN LBK": J6.2 U6.5 | length 3.2
  Top Layer w0.254: J6.2@-19.4,-57.5 -17.615,-55.715 -17.097,-55.715 U6.5@-17.019,-55.636
"CAN LED": DS3.1 DS4.1 J4.2 | length 5
  Top Layer w0.254: J4.2@-22.4,-35.8 -22,-35.8 -22,-36.2 -21,-37.2 DS3.1@-19.937,-37.2 DS4.1@-19.937,-35.5
"CAN RX": R9.1 U1.32 U5.3 Z2.5 | length 68.9
  Top Layer w0.254: U5.3@-15.747,-41.354 -15.749,-41.353 -15.749,-35.655 -15.494,-35.4 R9.1@-14.982,-35.4 -13.4,-35.4 ; v1(-11.811,-27.051) -11.811,-33.811 -13.4,-35.4 ; v1(-10.668,-35.4) -13.4,-35.4 ; v1(-0.762,-35.433) 16.967,-35.433 20.8,-31.6 20.8,-26.556 U1.32@16.223,-21.979
  Bottom Layer w0.254: v1(-11.811,-27.051) -11.684,-27.051 -11.363,-26.73 -9.31,-26.73 Z2.5@-8.04,-25.46 ; v1(-10.668,-35.4) -10.635,-35.433 v1(-0.762,-35.433)
"CAN RX LED": DS4.2 R9.2 | length 2.2
  Top Layer w0.254: DS4.2@-18.413,-35.5 -18.313,-35.4 R9.2@-16.568,-35.4
  Top Layer w0.381: DS4.2@-18.413,-35.5 DS4.2@-18.159,-35.754